# Altium PCB VCO_MainBoard.PcbDoc
Units mm, origin at the board's own origin, x right, y up, seen from the top; angles counter-clockwise.
Board outline 45 x 100 mm, 2 copper layers (Top Layer, Bottom Layer); 92 components, 62 nets, 266 pads, 34 vias.
Unrouted connection lines stored in the file: 198.
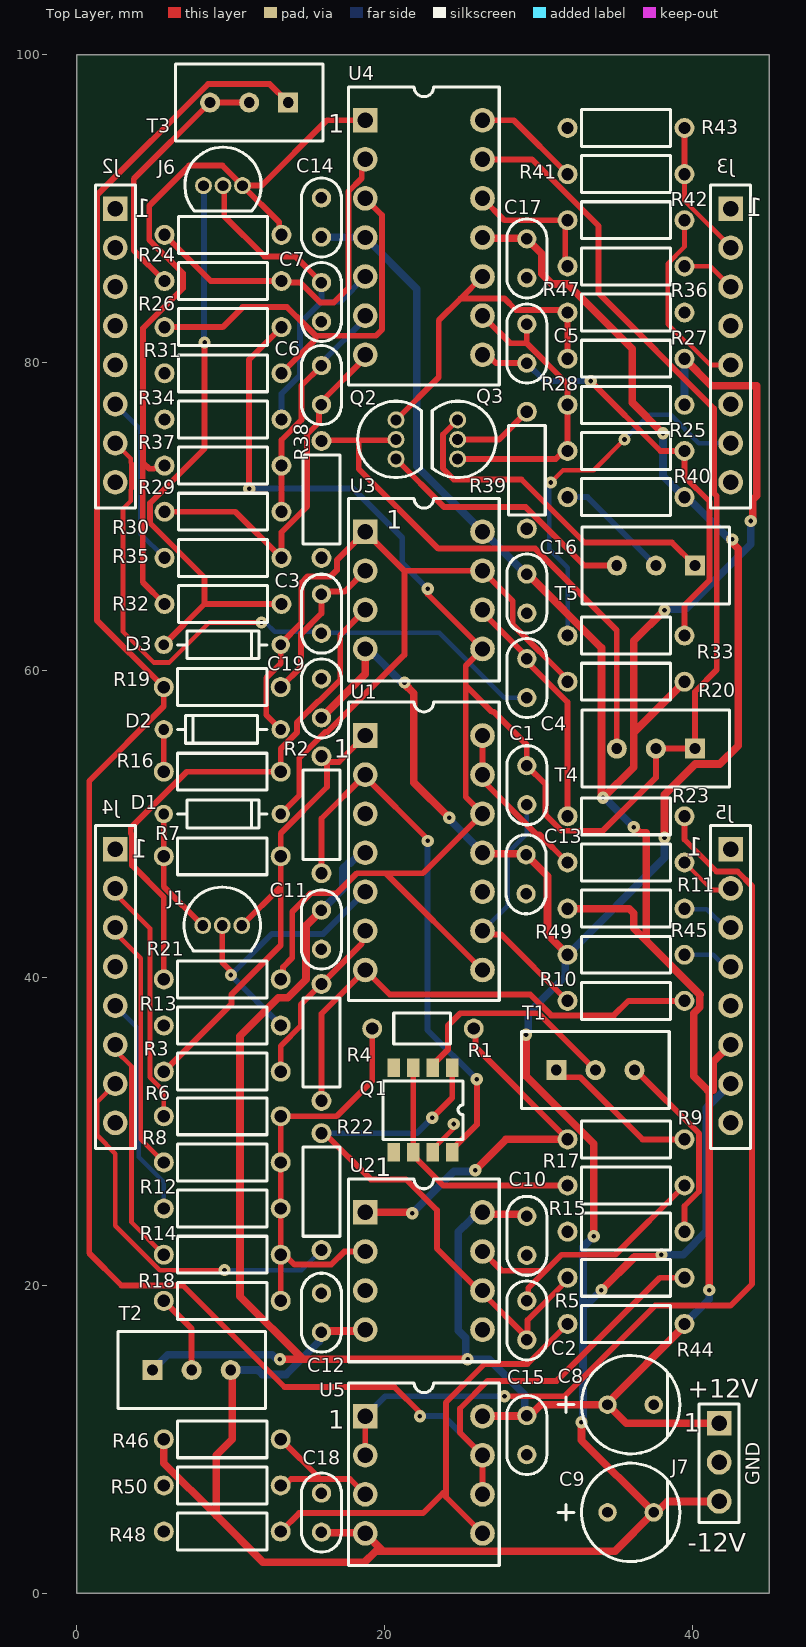
[diagram p0: Top Layer view]
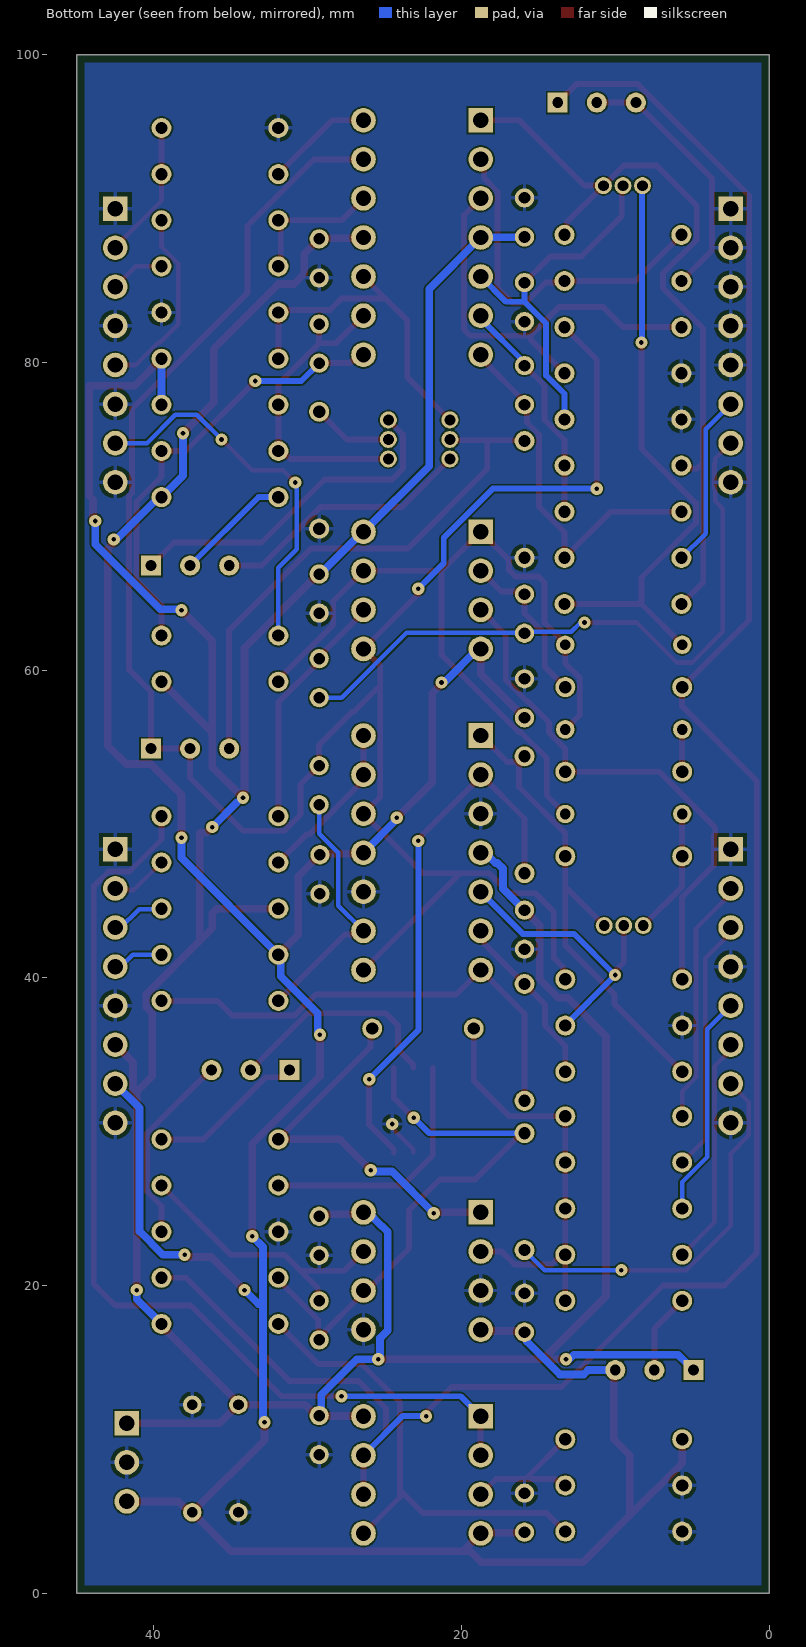
[diagram p1: Bottom Layer view, seen from below]

## Layer stack, top to bottom
Top Solder: solder mask 0.0102, Solder Resist, Dk 3.5
Top Layer: signal copper 0.0356
Dielectric 1: dielectric 0.32, FR-4, Dk 4.8
Bottom Layer: signal copper 0.0356
Bottom Solder: solder mask 0.0102, Solder Resist, Dk 3.5

## Board outline
0,0 0,100 45,100 45,0

## Design rules (kind name [scope] priority, off if disabled: settings)
Clearance [All] p1: gap=0.1 ignorepadtopadclearanceinfootprint=FALSE except(0: Arc-Hole Track-Hole SMDPad-Hole THPad-Hole Via-Hole Fill-Hole Poly-Hole Region-Hole Text-Hole)
HoleToHoleClearance [All] p1: gap=0.1 allowstackedmicrovias=TRUE
MinimumSolderMaskSliver [All] p1: minsoldermaskwidth=0.1
PolygonConnect [All] p1: connectstyle=Relief reliefconductorwidth=0.254 reliefentries=4 polygonreliefangle="90 Angle" airgapwidth=0.254
RoutingVias [All] p1: holewidth=0.3 width=0.8 viastyle="Through Hole" minholewidth=0.3 minwidth=0.8 maxholewidth=0.3 maxwidth=0.8
SilkToSilkClearance [All] p1: silktosilkclearance=0.1
SilkToSolderMaskClearance [IsPad] p1: minsilkscreentomaskgap=0.1 clearancetoexposedcopper=TRUE
SolderMaskExpansion [All] p1: expansion=0.102 istentingtop=FALSE
Width Width_Power [InNet('+12V') or InNet('-12V')] p1: maxlimit=1 minlimit=0.5 preferedwidth=0.5 minimp=50.000000 maximp=50.000000 favimp=50.000000
Width [All] p2: maxlimit=0.5 minlimit=0.3 preferedwidth=0.3
26 further rules are at their usual default settings.

## Components (designator, comment, footprint, x,y, rotation, side; value= is the part's Value field where it differs from the comment)
C1 "100p" "CAP DISC 2.54MM PITCH 5.0 DIAMETER" 29.25,51.25 r90 top
C2 "100p" "CAP DISC 2.54MM PITCH 5.0 DIAMETER" 29.25,19 r270 top
C3 "100n" "CAP DISC 2.54MM PITCH 5.0 DIAMETER" 15.9,62.4 r90 top
C4 "100n" "CAP DISC 2.54MM PITCH 5.0 DIAMETER" 29.25,58.21 r90 top
C5 "100p" "CAP DISC 2.54MM PITCH 5.0 DIAMETER" 29.25,79.96 r90 top
C6 "100p" "CAP DISC 2.54MM PITCH 5.0 DIAMETER" 15.9,77.26 r90 top
C7 "100p" "CAP DISC 2.54MM PITCH 5.0 DIAMETER" 15.9,85.2 r270 top
C8 "10u" CELEC_R_5x11_3 37.5,12.25 r180 top
C9 "10u" CELEC_R_5x11_3 37.5,5.25 r180 top
C10 "100n" "CAP DISC 2.54MM PITCH 5.0 DIAMETER" 29.25,21.96 r90 top
C11 "100n" "CAP DISC 2.54MM PITCH 5.0 DIAMETER" 15.9,41.86 r90 top
C12 "100n" "CAP DISC 2.54MM PITCH 5.0 DIAMETER" 15.9,16.96 r90 top
C13 "100n" "CAP DISC 2.54MM PITCH 5.0 DIAMETER" 29.2,48 r270 top
C14 "100n" "CAP DISC 2.54MM PITCH 5.0 DIAMETER" 15.9,90.7 r270 top
C15 "100n" "CAP DISC 2.54MM PITCH 5.0 DIAMETER" 29.25,9 r90 top
C16 "100n" "CAP DISC 2.54MM PITCH 5.0 DIAMETER" 29.25,63.71 r90 top
C17 "100n" "CAP DISC 2.54MM PITCH 5.0 DIAMETER" 29.25,88.04 r270 top
C18 "100n" "CAP DISC 2.54MM PITCH 5.0 DIAMETER" 15.9,3.96 r90 top
C19 "100n" "CAP DISC 2.54MM PITCH 5.0 DIAMETER" 15.9,56.9 r90 top
D1 "1N4148" SOD27 9.45,50.65 r0 top
D2 "1N4148" SOD27 9.45,56.15 r180 top
D3 "1N4148" SOD27 9.45,61.65 r0 top
J1 "J111" TO-92 9.45,43.4 r0 top
J2 "HDR F 1x8 2.54MM" "HDR F 1x8 2.54MM" 2.5,83.65 r180 top
J3 "HDR F 1x8 2.54MM" "HDR F 1x8 2.54MM" 42.5,83.65 r180 top
J4 "HDR F 1x8 2.54MM" "HDR F 1x8 2.54MM" 2.5,42 r180 top
J5 "HDR F 1x8 2.54MM" "HDR F 1x8 2.54MM" 42.5,42 r180 top
J6 "J111" TO-92 9.5,91.5 r0 top
J7 "HDR M" "HDR M 1X3 2.54MM" 41.75,11.04 r0 top
Q1 "AS394DE" SOIC8 22.5,31.4 r270 top
Q2 "2N3904" TO-92 20.75,75 r90 top
Q3 "2N3904" TO-92 24.75,75 r270 top
R1 "2k / 3300ppm" "Axial 0.125W Resistor" 22.5,36.7 r0 top
R2 "5k1" "AXIAL 0.25W RESISTOR" 15.9,50.6 r90 top
R3 "10k" "AXIAL 0.25W RESISTOR" 9.45,33.9 r0 top
R4 "10k" "AXIAL 0.25W RESISTOR" 15.9,35.8 r270 top
R5 "1M" "AXIAL 0.25W RESISTOR" 35.7,20.5 r0 top
R6 "100k" "AXIAL 0.25W RESISTOR" 9.45,31 r0 top
R7 "100k" "AXIAL 0.25W RESISTOR" 9.45,47.9 r0 top
R8 "100k" "AXIAL 0.25W RESISTOR" 9.45,28 r0 top
R9 "51R" "AXIAL 0.25W RESISTOR" 35.7,29.5 r180 top
R10 "100k" "AXIAL 0.25W RESISTOR" 35.7,38.5 r180 top
R11 "1k" "AXIAL 0.25W RESISTOR" 35.7,47.5 r0 top
R12 "510k" "AXIAL 0.25W RESISTOR" 9.45,25 r0 top
R13 "10k" "AXIAL 0.25W RESISTOR" 9.45,36.9 r0 top
R14 "1M" "AXIAL 0.25W RESISTOR" 9.45,22 r0 top
R15 "820R" "AXIAL 0.25W RESISTOR" 35.7,23.5 r0 top
R16 "2k2" "AXIAL 0.25W RESISTOR" 9.45,53.4 r0 top
R17 "2k2" "AXIAL 0.25W RESISTOR" 35.7,26.5 r180 top
R18 "1M" "AXIAL 0.25W RESISTOR" 9.45,19 r0 top
R19 "15k" "AXIAL 0.25W RESISTOR" 9.45,58.9 r180 top
R20 "4.7k" "AXIAL 0.25W RESISTOR" 35.7,59.25 r0 top
R21 "15k" "AXIAL 0.25W RESISTOR" 9.45,39.9 r180 top
R22 "100k" "AXIAL 0.25W RESISTOR" 15.9,26.1 r90 top
R23 "15k" "AXIAL 0.25W RESISTOR" 35.7,50.5 r0 top
R24 "51k" "AXIAL 0.25W RESISTOR" 9.5,88.3 r0 top
R25 "4.7k" "AXIAL 0.25W RESISTOR" 35.7,74.25 r0 top
R26 "68k" "AXIAL 0.25W RESISTOR" 9.5,85.3 r0 top
R27 "4.7k" "AXIAL 0.25W RESISTOR" 35.7,80.25 r0 top
R28 "4.7k" "AXIAL 0.25W RESISTOR" 35.7,77.25 r0 top
R29 "10k" "AXIAL 0.25W RESISTOR" 9.5,73.3 r0 top
R30 "10k" "AXIAL 0.25W RESISTOR" 9.5,70.3 r180 top
R31 "200k" "AXIAL 0.25W RESISTOR" 9.5,82.3 r180 top
R32 "100k" "AXIAL 0.25W RESISTOR" 9.5,64.3 r180 top
R33 "1k" "AXIAL 0.25W RESISTOR" 35.7,62.25 r180 top
R34 "100k" "AXIAL 0.25W RESISTOR" 9.5,79.3 r0 top
R35 "1k" "AXIAL 0.25W RESISTOR" 9.5,67.3 r180 top
R36 "4.7k" "AXIAL 0.25W RESISTOR" 35.7,83.25 r180 top
R37 "4.7k" "AXIAL 0.25W RESISTOR" 9.5,76.3 r0 top
R38 "100R" "AXIAL 0.25W RESISTOR" 15.9,71.1 r90 top
R39 "100R" "AXIAL 0.25W RESISTOR" 29.25,73 r90 top
R40 "10k" "AXIAL 0.25W RESISTOR" 35.7,71.25 r180 top
R41 "2k2" "AXIAL 0.25W RESISTOR" 35.7,92.25 r0 top
R42 "100k" "AXIAL 0.25W RESISTOR" 35.7,89.25 r180 top
R43 "2k2" "AXIAL 0.25W RESISTOR" 35.7,95.25 r0 top
R44 "47k" "AXIAL 0.25W RESISTOR" 35.7,17.5 r0 top
R45 "30k" "AXIAL 0.25W RESISTOR" 35.7,44.5 r180 top
R46 "47k" "AXIAL 0.25W RESISTOR" 9.45,10 r180 top
R47 "30k" "AXIAL 0.25W RESISTOR" 35.7,86.25 r180 top
R48 "33k" "AXIAL 0.25W RESISTOR" 9.45,4 r0 top
R49 "30k" "AXIAL 0.25W RESISTOR" 35.7,41.5 r180 top
R50 "33k" "AXIAL 0.25W RESISTOR" 9.45,7 r0 top
T1 "Trimmer" 3296W 33.71,34 r90 top value=1k
T2 "Trimmer" 3296W 7.46,14.5 r90 top value=1k
T3 "Trimmer" 3296W 11.2,96.9 r270 top value=1k
T4 "Trimmer" 3296W 37.64,54.9 r270 top value=1k
T5 "Trimmer" 3296W 37.64,66.8 r270 top value=1k
U1 "TL074ACN" PDIP14 18.75,55.75 r0 top
U2 "TL072CP" PDIP8 22.56,20.94 r0 top
U3 "LM393M/NOPB" PDIP8 22.56,65.19 r0 top
U4 "TL074ACN" PDIP14 18.75,95.75 r0 top
U5 "TL072CP" PDIP8 22.56,7.69 r0 top

## Footprints (in the part's own frame and the unit in brackets; to place one, negate y for a bottom-side part, rotate by r counter-clockwise, add the part's x,y. Pads: shape width x height; smd on the part's side, far side on the other; paste and mask are expansions set on the pad)
3296W [mm]
  rect 1.3x1.3 hole 0.7: 1(0,2.54)
  round 1.3 hole 0.7: 2(0,0) 3(0,-2.54)
  silkscreen extent -2.5,-4.8 2.5,4.8, body extent -2.42,-4.77 2.42,4.76, height 11.56
"AXIAL 0.25W RESISTOR" [mm]
  round 1.3 hole 0.8: 1(-3.8,0) 2(3.8,0)
  silkscreen extent -2.9,-1.2 2.9,1.2, body extent -4.11,-1.2 4.11,1.2, height 2.5
"Axial 0.125W Resistor" [mm]
  round 1.3 hole 0.8: 1(-3.3,0) 2(3.3,0)
  silkscreen extent -1.9,-1 1.8,1, body extent -3.55,-0.95 3.55,0.95, height 1.95
"CAP DISC 2.54MM PITCH 5.0 DIAMETER" [mm]
  round 1.25 hole 0.75: 1(0,0) 2(2.54,0)
  silkscreen extent -1.3,-1.3 3.84,1.3, body extent -0.9,-1.03 3.5,1.05, height 4.57
CELEC_R_5x11_3 [mm]
  round 1.2 hole 0.7: 1(0,0) 2(3,0)
  silkscreen extent -1.7,-3.2 6.21,3.2, body extent -1.65,-3.15 4.65,3.15, height 12
"HDR F 1x8 2.54MM" [mm]
  rect 1.6x1.6 hole 1: 1(0,-6.35)
  round 1.6 hole 1: 2(0,-3.81) 3(0,-1.27) 4(0,1.27) 5(0,3.81) 6(0,6.35) 7(0,8.89) 8(0,11.43)
  silkscreen extent -1.3,-7.9 1.3,13.1, body extent -1.27,-7.87 1.27,12.97, height 3.01
"HDR M 1X3 2.54MM" [mm]
  rect 1.6x1.6 hole 1: 1(0,0)
  round 1.6 hole 1: 2(0,-2.54) 3(0,-5.08)
  silkscreen extent -1.3,-6.44 1.3,1.26, body extent -1.27,-6.35 1.27,1.27, height 9.21
PDIP8 [mm]
  rect 1.6x1.6 hole 1: 1(-3.81,3.81)
  round 1.6 hole 1: 2(-3.81,1.27) 3(-3.81,-1.27) 4(-3.81,-3.81) 5(3.81,-3.81) 6(3.81,-1.27) 7(3.81,1.27) 8(3.81,3.81)
  silkscreen extent -4.9,-5.9 4.9,5.98, body extent -3.9,-5.71 3.97,5.71, height 4.19
PDIP14 [mm]
  rect 1.6x1.6 hole 1: 1(0,0)
  round 1.6 hole 1: 2(0,-2.54) 3(0,-5.08) 4(0,-7.62) 5(0,-10.16) 6(0,-12.7) 7(0,-15.24) 8(7.62,-15.24) 9(7.62,-12.7) 10(7.62,-10.16) 11(7.62,-7.62) 12(7.62,-5.08) 13(7.62,-2.54) 14(7.62,0)
  silkscreen extent -1.09,-17.22 8.71,2.17, body extent -0.06,-17.14 7.81,1.91, height 4.19
SOD27 [mm]
  round 1.2 hole 0.7: 1(-3.8,0) 2(3.8,0)
  silkscreen extent -2.9,-0.9 2.9,0.9, body extent -4.09,-0.95 4.08,0.95, height 1.95
SOIC8 [mm]
  rect 1.2x0.8 smd: 1(-2.75,1.905) 2(-2.75,0.635) 3(-2.75,-0.635) 4(-2.75,-1.905) 5(2.75,-1.905) 6(2.75,-0.635) 7(2.75,0.635) 8(2.75,1.905)
  silkscreen extent -1.9,-2.6 1.9,2.6, body extent -3,-2.45 3,2.45, height 1.75
TO-92 [mm]
  round 1.1 hole 0.7: 1(-1.27,0) 2(0,0) 3(1.27,0)
  silkscreen extent -2.48,-1.65 2.48,2.5, body extent -2.4,-1.53 2.4,2.4, height 5.4

## Part data
C1 C2 C5 C6 C7: library part CDC-101
C3 C4 C10 C11 C12 C13 C14 C15 C16 C17 C18 C19: library part CDC-104
C8 C9: library part CELEC-106, "Radial Electrolytic Capacitor"
J7: library part "HDR M 1x3 2.54MM"
R1: library part LT16S202F33
R2: library part ACR-0025-1-5K1, "Axial Carbon Film Resistor"
R3 R4 R13 R29 R30 R40: library part ACR-0025-1-10K, "Axial Carbon Film Resistor"
R5 R14 R18: library part ACR-0025-1-1M, "Axial Carbon Film Resistor"
R6 R7 R8 R10 R22 R32 R34 R42: library part ACR-0025-1-100K, "Axial Carbon Film Resistor"
R9: library part ACR-0025-1-51R, "Axial Carbon Film Resistor"
R11 R33 R35: library part ACR-0025-1-1K, "Axial Carbon Film Resistor"
R12: library part ACR-0025-1-510K, "Axial Carbon Film Resistor"
R15: library part ACR-0025-1-820R, "Axial Carbon Film Resistor"
R16 R17 R41 R43: library part ACR-0025-1-2k2, "Axial Carbon Film Resistor"
R19 R21 R23: library part ACR-0025-1-15K, "Axial Carbon Film Resistor"
R20 R25 R27 R28 R36 R37: library part ACR-0025-1-4K7, "Axial Carbon Film Resistor"
R24: library part ACR-0025-1-51K, "Axial Carbon Film Resistor"
R26: library part ACR-0025-1-68K, "Axial Carbon Film Resistor"
R31: library part ACR-0025-1-200K, "Axial Carbon Film Resistor"
R38 R39: library part ACR-0025-1-100R, "Axial Carbon Film Resistor"
R44 R46: library part ACR-0025-1-47K, "Axial Carbon Film Resistor"
R45 R47 R49: library part ACR-0025-1-30K, "Axial Carbon Film Resistor"
R48 R50: library part ACR-0025-1-33K, "Axial Carbon Film Resistor"
U1 U4: "Operational Amplifiers - Op Amps Quad Low Noise JFET", Case/Package=N, Dual Supply Voltage=9V, Input Bias Current=200pA, Input Offset Voltage (Vos)=6mV, Manufacturer="Texas Instruments", Max Dual Supply Voltage=18V, Max Operating Temperature=70°C, Min Dual Supply Voltage=3.5V, Min Operating Temperature=0°C, Nominal Supply Current=10mA, Operating Supply Current=1.4mA, Package Quantity=25, Supplier Part Number 1=1822441, Voltage Gain=106.02dB, Bandwidth=3MHz, Category="Amplifiers - Op Amps, Buffer, Instrumentation", Common Mode Rejection Ratio=75dB, ComponentLink1Description=https://datasheet.ciiva.com/23801/tl072-23801536.pdf?src-supplier=Newark, ComponentLink1URL=https://datasheet.ciiva.com/23801/tl072-23801536.pdf?src-supplier=Newark, ComponentLink2Description=https://datasheet.ciiva.com/15129/getdatasheetpartid-30262-15129616.pdf?src-supplier=Verical, ComponentLink2URL=https://datasheet.ciiva.com/15129/getdatasheetpartid-30262-15129616.pdf?src-supplier=Verical, ComponentLink3Description=https://datasheet.ciiva.com/1797/tl071a-1797486.pdf?src-supplier=Digi-Key, ComponentLink3URL=https://datasheet.ciiva.com/1797/tl071a-1797486.pdf?src-supplier=Digi-Key, ComponentLink4Description=https://datasheet.ciiva.com/26244/tl074-26244101.pdf?src-supplier=Avnet+Europe, ComponentLink4URL=https://datasheet.ciiva.com/26244/tl074-26244101.pdf?src-supplier=Avnet+Europe, ComponentLink5Description=https://datasheet.ciiva.com/2974/tl074-2974215.pdf?src-supplier=Avnet, ComponentLink5URL=https://datasheet.ciiva.com/2974/tl074-2974215.pdf?src-supplier=Avnet, ComponentLink6Description=https://datasheet.ciiva.com/14151/nstl071-to-tl074-e-14151144.pdf?src-supplier=Distrelec, ComponentLink6URL=https://datasheet.ciiva.com/14151/nstl071-to-tl074-e-14151144.pdf?src-supplier=Distrelec, Gain Bandwidth Product=3MHz, Height=4.57mm, Lead Free="Lead Free", Length=19.3mm, Manufacturer Part Number=TL074ACN, Max I/O Voltage=6mV, Nominal Gain Bandwidth Product=3MHz, Number of Amplifiers=4, Number of Channels=4, Number of Circuits=4, Number of Elements=4, Number of Pins=14, Operating Supply Voltage=18V, Packaging=Rail/Tube, Pricing 1="1=1.20500, 2=1.13600, 5=1.08200, 10=1.01300 (USD)", Radiation Hardening=No, REACH SVHC="No SVHC", RoHS=Yes, RoHS Compliant=Yes, Slew Rate=13V/µs, Stock 1=477, Supplier 1=RSComponents, Unity Gain Bandwidth Product=3MHz, Width=6.35mm
U2 U5: "IC, OP AMP, DUAL JFET, DIP8; Bandwidth:3MHz; No. of Amplifiers:2; Slew Rate:13V/ s; Supply Voltage Range:7V to 36V; Amplifier Case Style:DIP; No. of Pins:8; Operating Temperature Min:0 C; Operating Temperature Max:70 C; ;RoHS Compliant: Yes", Case/Package=P, Dual Supply Voltage=9V, Input Bias Current=200pA, Input Offset Voltage (Vos)=3mV, Manufacturer="Texas Instruments", Max Dual Supply Voltage=18V, Max I/O Voltage=10mV, Max Operating Temperature=85°C, Min Dual Supply Voltage=3.5V, Min Operating Temperature=-40°C, Nominal Supply Current=5mA, Operating Supply Current=1.4mA, Package Quantity=50, Supplier Part Number 1=0304239, Voltage Gain=106.02dB, Bandwidth=3MHz, Category="Amplifiers - Op Amps, Buffer, Instrumentation", Common Mode Rejection Ratio=70dB, ComponentLink1Description=https://datasheet.ciiva.com/7709/1764387-7709920.pdf?src-supplier=Element14, ComponentLink1URL=https://datasheet.ciiva.com/7709/1764387-7709920.pdf?src-supplier=Element14, ComponentLink2Description=https://datasheet.ciiva.com/1796/tl071a-1796082.pdf?src-supplier=Digi-Key, ComponentLink2URL=https://datasheet.ciiva.com/1796/tl071a-1796082.pdf?src-supplier=Digi-Key, ComponentLink3Description=https://datasheet.ciiva.com/26243/tl074-26243621.pdf?src-supplier=Avnet+Europe, ComponentLink3URL=https://datasheet.ciiva.com/26243/tl074-26243621.pdf?src-supplier=Avnet+Europe, ComponentLink4Description=https://datasheet.ciiva.com/2974/tl074-2974205.pdf?src-supplier=Avnet, ComponentLink4URL=https://datasheet.ciiva.com/2974/tl074-2974205.pdf?src-supplier=Avnet, Contact Plating=Gold, Gain Bandwidth Product=3MHz, Height=4.57mm, Lead Free="Lead Free", Length=9.81mm, Manufacturer Part Number=TL072CP, Max Supply Voltage=18V, Nominal Gain Bandwidth Product=3MHz, Number of Amplifiers=2, Number of Channels=2, Number of Circuits=2, Number of Elements=2, Number of Pins=8, Packaging=Rail/Tube, Pricing 1="1=1.09500, 5=0.98600, 10=0.87600, 15=0.82100, 25=0.76700 (USD)", Radiation Hardening=No, REACH SVHC="No SVHC", RoHS=Yes, RoHS Compliant=Yes, Slew Rate=13V/µs, Stock 1=796, Supplier 1=RSComponents, Unity Gain Bandwidth Product=3MHz, Width=6.35mm
U3: "IC COMP DUAL LO PWR 8-SOIC", Case/Package=SOIC, Dual Supply Voltage=9V, Input Bias Current=250nA, Input Offset Voltage (Vos)=5mV, Manufacturer="TI National Semiconductor", Max Dual Supply Voltage=18V, Max Operating Temperature=70°C, Max Power Dissipation=510mW, Max Supply Current=200uA, Max Supply Voltage=36V, Min Dual Supply Voltage=1V, Min Operating Temperature=0°C, Min Supply Voltage=2V, Nominal Supply Current=1mA, Operating Supply Voltage=28V, Output Current=16mA, Package Quantity=95, Quiescent Current=2.5mA, Supplier Part Number 1=5361388, Voltage Gain=106.02dB, Category="Amplifiers - Op Amps, Buffer, Instrumentation", ComponentLink1Description=https://datasheet.ciiva.com/1483/1837571-1483072.pdf?src-supplier=Element14, ComponentLink1URL=https://datasheet.ciiva.com/1483/1837571-1483072.pdf?src-supplier=Element14, ComponentLink2Description=https://datasheet.ciiva.com/19456/901191-19456110.pdf?src-supplier=Jameco, ComponentLink2URL=https://datasheet.ciiva.com/19456/901191-19456110.pdf?src-supplier=Jameco, ComponentLink3Description=https://datasheet.ciiva.com/15130/getdatasheetpartid-141687-15130895.pdf?src-supplier=Verical, ComponentLink3URL=https://datasheet.ciiva.com/15130/getdatasheetpartid-141687-15130895.pdf?src-supplier=Verical, ComponentLink4Description=https://datasheet.ciiva.com/16464/lm193-n-16464325.pdf?src-supplier=Avnet+Asia, ComponentLink4URL=https://datasheet.ciiva.com/16464/lm193-n-16464325.pdf?src-supplier=Avnet+Asia, ComponentLink5Description=https://datasheet.ciiva.com/14153/oilmx93-2903-dat-e-14153111.pdf?src-supplier=Distrelec, ComponentLink5URL=https://datasheet.ciiva.com/14153/oilmx93-2903-dat-e-14153111.pdf?src-supplier=Distrelec, ComponentLink6Description=https://datasheet.ciiva.com/6625/lm193-n-6625114.pdf?src-supplier=Digi-Key, ComponentLink6URL=https://datasheet.ciiva.com/6625/lm193-n-6625114.pdf?src-supplier=Digi-Key, ComponentLink7Description=https://datasheet.ciiva.com/2970/lm193-n-2970524.pdf?src-supplier=Avnet, ComponentLink7URL=https://datasheet.ciiva.com/2970/lm193-n-2970524.pdf?src-supplier=Avnet, Height=1.45mm, Lead Free="Lead Free", Length=4.9mm, Manufacturer Part Number=LM393M/NOPB, Max Input Current=250nA, Mount="Surface Mount", Number of Channels=2, Number of Elements=2, Number of Pins=8, Output Compatibility=CMOS, Output Type=TTL, Packaging=Rail/Tube, Power Dissipation=510mW, Pricing 1="1=0.95800, 5=0.86200, 10=0.76700, 25=0.72600, 50=0.67100 (USD)", Propagation Delay=700ns, Radiation Hardening=No, REACH SVHC="No SVHC", Response Time=1.3us, RoHS=Yes, RoHS Compliant=Yes, Series=-, Stock 1=691, Supplier 1=RSComponents, Supply Current=1mA, Technology=BIPOLAR, Termination=SMD/SMT, Turn-On Delay Time=0.4us, Type="General Purpose", Width=3.9mm
T1 T2 T3 T4 T5: SET=0.5

## Via types
v1: diameter 0.8, hole 0.3, Top Layer to Bottom Layer, tented both sides, 34 vias

## Nets (pads, with @x,y where several pads share a name; then routed paths per layer and width w, separated by ;. In a path a pad name is that pad's centre, name@x,y a point inside that pad or via, vN(x,y) a via of type N, cw(c..) or ccw(c..) an arc to the next point about the centre after c; other vN are vias at no path point)
+5V: R5.2 R19.2 T3.1 U5.6 U5.7 | length 144
  Top Layer w0.381: T3.1 12.54,98.1 8.53,98.1 1.3,90.87 1.3,63.25 R19.2 5.65,57.65 0.8,52.8 0.8,22.1 2.9,20 6.9,20 13.5,13.4 20.641,13.4 22.3,11.741 v1(22.3,11.5) ; U5.6 U5.7 24.9,10.43 24.9,12 26.7,13.8 31.2,13.8 37.9,20.5 R5.2
  Bottom Layer w0.381: v1(22.3,11.5) 22.322,11.522 23.808,11.522 U5.7
+12V: C8.2 C10.2 C11.2 C14.2 C15.2 C16.2 J5.6 J7.1 R20.2 R27.2 R28.2 R44.2 R45.2 T2.1 U1.4 U2.8 U3.8 U4.4 U5.8 | length 241.3
  Top Layer w0.5: v1(13.2,15.2) 14.7,15.2 ; C11.2 14.9,43.4 14.9,39.9 13.7,38.7 13.1,38.7 10.6,36.2 10.6,19.3 14.7,15.2 ; v1(25.4,15.2) 14.7,15.2 ; U5.8 26.39,11.52 29.23,11.52 C15.2 29.453,11.54 30.163,12.25 C8.2 ; U2.8 26.495,24.625 29.125,24.625 C10.2 ; C16.2 29.314,66.25 34.1,61.464 34.1,51.8 v1(34.2,51.7) 36.2,53.7 36.2,55.95 ; R45.2 35.907,44.5 36.2,44.207 36.2,43.214 37.007,42.407 ; v1(36.2,49.8) 36.579,49.421 37.007,49.421 37.007,42.407 ; v1(38.2,63.9) 36.2,61.9 36.2,55.95 ; R44.2 39.5,17.375 34.5,12.375 C8.2 ; R20.2 36.2,55.95 ; R27.2 41.25,78.5 44.2,78.5 44.2,71.335 43.947,71.082 43.947,69.847 v1(43.8,69.7) ; v1(41.1,19.7) 41.1,25.9 41.1,26.284 41.1,29.3 41.1,29.744 41.1,32.7 41,32.7 40.1,33.6 40.1,37.686 40.5,38.086 40.5,38.9 40.507,38.907 37.007,42.407 ; 41.35,32.7 41.35,34.5 J5.6 ; J7.1 35.71,11.04 C8.2
  Bottom Layer w0.5: T2.1 5.32,14.9 5.92,15.5 12.692,15.5 12.992,15.2 v1(13.2,15.2) ; C11.2 17.3,45.8 17.3,47.107 17.654,47.461 17.783,47.461 18.452,48.13 U1.4 ; C14.2 15.915,88.145 18.735,88.145 22.1,84.78 22.1,73.27 U3.8 26.435,69 29.185,66.25 C16.2 ; U2.8 26.072,24.75 25.176,23.854 25.154,23.854 24.8,23.5 24.8,17.074 25.289,16.585 25.289,15.311 v1(25.4,15.2) 26.793,15.2 29.106,12.887 29.106,11.684 C15.2 ; 34.6,51.4 v1(36.2,49.8) ; v1(38.2,63.9) 38.265,63.965 39.585,63.965 43.8,68.18 v1(43.8,69.7) ; R44.2 41.1,19.1 v1(41.1,19.7) ; R28.2 R27.2
-5V: R23.2 U5.1 U5.2 | length 64.3
  Top Layer w0.381: U5.2 U5.1 ; v1(27.8,12.8) 31.7,12.8 37.6,18.7 42.5,18.7 43.9,20.1 43.9,45.952 42.943,46.909 41.58,46.909 39.5,48.989 R23.2
  Bottom Layer w0.381: U5.1 20.05,12.8 v1(27.8,12.8)
-12V: C9.1 C12.1 C13.1 C17.1 C18.1 C19.1 J5.7 J7.3 R40.1 R46.2 R49.2 T2.3 U1.11 U2.4 U3.4 U4.11 U5.4 | length 222.7
  Top Layer w0.5: R46.2 5.65,8.45 9.05,5.05 ; T2.3 10.1,14.4 10.1,10 9.05,8.95 9.05,5.05 ; C18.1 15.94,3.92 18.71,3.92 U5.4 19.9,2.73 ; C12.1 15.985,17.045 18.665,17.045 U2.4 ; C19.1 18.75,59.75 U3.4 ; v1(21.3,59.2) 21.3,59.1 21.9,58.5 21.9,52.7 v1(24.2,50.4) ; U1.11 26.435,48.065 29.135,48.065 C13.1 30.6,46.6 30.6,42.8 R49.2 ; U4.11 26.415,88.085 29.205,88.085 C17.1 30.225,87.065 30.225,85.775 30.9,85.1 31.9,85.1 36.1,80.9 36.1,77.4 v1(38.1,75.4) ; v1(29.2,36.3) 29.2,33.614 33.6,29.214 v1(33.6,23.2) ; v1(32.8,11.1) 32.8,9.95 C9.1 ; v1(34.1,19.7) 36.253,21.853 37.853,21.853 v1(38,22) ; v1(38.2,49.1) 38.2,51.9 40.2,53.9 41.8,53.9 43,55.1 43,67.892 42.6,68.292 v1(42.6,68.5) ; J7.3 38.399,5.96 37.689,5.25 C9.1 ; 9.05,5.05 12.1,2 18.7,2 19.43,2.73 19.9,2.73 ; 19.9,2.73 34.98,2.73 C9.1
  Bottom Layer w0.5: T2.3 11.77,14.5 12.055,14.215 13.608,14.215 15.756,16.364 15.756,16.816 C12.1 ; U3.4 18.935,61.38 21.115,59.2 v1(21.3,59.2) ; v1(24.2,50.4) 24.2,50.3 U1.11 ; v1(29.2,36.3) 29.339,36.439 29.339,37.685 31.754,40.1 31.754,41.354 R49.2 38.2,47.8 v1(38.2,49.1) ; v1(32.8,11.1) 32.9,11.2 32.9,18.8 ; v1(33.6,23.2) 32.9,22.5 32.9,18.8 ; v1(34.1,19.7) 33.2,18.8 32.9,18.8 ; v1(38,22) 39.414,22 40.926,23.511 40.926,31.536 J5.7 ; v1(38.1,75.4) 38.1,72.65 R40.1 39.675,71.25 42.425,68.5 v1(42.6,68.5)
CoarseTune: J4.5 R12.1 | length 14.5
  Bottom Layer w0.3: J4.5 4.025,36.665 4.025,28.352 5.65,26.727 R12.1
CV: J4.2 R6.1 | length 16.1
  Top Layer w0.3: J4.2 2.5,45.46 4.75,43.21 4.75,33.527 5.65,32.627 R6.1
ExpFM: J4.3 R8.1 | length 16.6
  Top Layer w0.3: J4.3 2.5,42.92 4.15,41.27 4.15,29.5 R8.1
FineTune: J4.6 R14.1 | length 15
  Top Layer w0.3: J4.6 2.5,35.3 3.55,34.25 3.55,24.1 R14.1
Gnd: C7.2 C8.1 C9.2 C10.1 C11.1 C12.2 C13.2 C14.1 C15.1 C16.1 C17.2 C18.2 C19.2 J2.1 J2.2 J2.3 J2.4 J2.5 J2.8 J3.1 J3.4 J3.6 J3.8 J4.1 J4.4 J4.8 J5.1 J5.5 J5.8 J7.2 Q1.7 R13.1 R15.1 R34.1 R36.1 R37.1 R38.1 R39.1 R43.1 R48.1 R50.1 U1.3 U1.10 U2.3 U2.5 | length 2.4
  Top Layer w0.3: Q1.7 23.135,28.85 24.5,30.215 v1(24.5,30.5)
LinFM: J4.7 R22.1 | length 25.3
  Top Layer w0.3: J4.7 1.315,31.925 1.315,29.76 2.5,28.575 2.5,23.877 5.377,21 v1(9.6,21)
  Bottom Layer w0.3: v1(9.6,21) 14.6,21 R22.1
NetC1_1: C1.1 R10.2 U1.9 | length 16.8
  Top Layer w0.381: U1.9 26.603,42.817 27.583,42.817 R10.2
  Bottom Layer w0.3: U1.9 28,44.68 28,48.121 29.25,49.371 C1.1
NetC2_1: C2.1 R17.1 U2.7 | length 18.4
  Top Layer w0.381: U2.7 27.622,20.958 30.458,20.958 ; C2.1 29.34,19.09 29.34,19.84 30.458,20.958 ; R17.1 35,22 31.5,22 30.458,20.958
NetC2_2: C2.2 Q1.1 R5.1 R22.2 U2.6 | length 37.1
  Top Layer w0.381: R22.2 16.1,29.9 19.1,26.9 21.4,26.9 23.4,24.9 23.4,22.4 26.13,19.67 U2.6 26.37,19.505 29.25,16.625 C2.2 29.305,16.515 29.305,17.76 31.9,20.355 R5.1 ; v1(23.1,30.9) 24.405,32.205 Q1.1
  Bottom Layer w0.381: R22.2 22.1,29.9 v1(23.1,30.9)
NetC3_2: C3.2 R19.1 U3.2 | length 10.6
  Top Layer w0.381: R19.1 14.58,60.23 14.58,62.374 15.9,63.695 C3.2 16.066,65.106 17.396,65.106 U3.2
NetC4_2: C4.2 R23.1 U3.6 | length 15.7
  Top Layer w0.381: U3.6 26.37,63.775 29.25,60.895 C4.2 29.25,60.57 31.9,57.92 R23.1
NetC5_1: C5.1 R25.2 R33.1 U4.8 | length 29.1
  Top Layer w0.381: U4.8 26.7,80.51 27.25,79.96 C5.1 ; v1(33.4,78.8) 33.4,78.791 37.941,74.25 R25.2 39.5,72.58 41.121,70.96 41.121,65.845 39.5,64.224 R33.1
  Bottom Layer w0.381: C5.1 30.41,78.8 v1(33.4,78.8)
NetC5_2: C5.2 Q3.3 R25.1 R28.1 U4.9 | length 20.3
  Top Layer w0.381: Q3.3 31.131,73.73 31.651,74.25 R25.1 R28.1 31.9,78.605 29.25,81.255 ; U4.9 28.165,81.255 29.25,81.255 ; C5.2 29.25,81.255
NetC6_1: C6.1 R30.2 R35.1 U4.7 | length 24.3
  Top Layer w0.381: R30.2 10.3,70.3 R35.1 13.3,68.97 14.96,70.629 14.96,75.322 15.734,76.097 15.734,77.094 C6.1 15.9,77.46 18.75,80.31 U4.7
NetC6_2: C6.2 R29.2 R30.1 U4.6 | length 15
  Top Layer w0.381: R30.1 13.3,74.97 14.605,76.275 14.605,78.505 C6.2
  Bottom Layer w0.381: C6.2 15.9,80 18.75,82.85 U4.6
NetC7_1: C7.1 J6.2 R37.2 U4.5 | length 23.6
  Top Layer w0.381: J6.2 9.582,91.418 9.582,89.518 12.2,86.9 14.2,86.9 C7.1
  Bottom Layer w0.381: R37.2 13.3,77.97 14.498,79.168 14.498,82.553 15.9,83.955 ; C7.1 15.9,83.955 ; U4.5 17.115,83.955 15.9,83.955
NetD1_1: D1.1 J1.1 R7.1 | length 8.3
  Top Layer w0.381: D1.1 R7.1 5.65,45.93 J1.1
NetD2_2: D2.2 R16.1 | length 2.8
  Top Layer w0.381: R16.1 D2.2
NetD3_1: D3.1 J6.1 R32.1 | length 38.9
  Top Layer w0.381: D3.1 8.3,64.3 ; v1(8.3,81.3) 8.3,74.4 4.759,70.859 4.759,69.571 8.3,66.03 8.3,64.3 ; R32.1 8.3,64.3
  Bottom Layer w0.381: J6.1 8.265,91.465 8.265,81.335 v1(8.3,81.3)
NetJ1_2: J1.2 R13.2 U1.5 | length 19
  Top Layer w0.381: J1.2 9.45,40.991 10.013,40.427 v1(10.013,40.187)
  Bottom Layer w0.381: R13.2 13.25,36.925 10.013,40.162 v1(10.013,40.187) 12.684,42.857 16.017,42.857 U1.5
NetJ1_3: J1.3 R2.2 R3.1 R7.2 U1.1 | length 32.3
  Top Layer w0.381: R3.1 10.059,38.31 10.059,38.924 13.25,42.114 13.25,45.93 ; J1.3 13.25,45.93 ; U1.1 17.041,54.041 16.36,54.041 16.001,54.4 R2.2 15.9,54.299 16.259,53.94 16.259,52.399 13.25,49.391 R7.2 13.25,45.93
NetJ6_3: J6.3 R24.2 R29.1 R32.2 U4.1 | length 51.8
  Top Layer w0.381: R32.2 4.278,65.722 4.278,73.355 4.3,73.377 4.3,73.5 ; R29.1 5.524,73.124 5.043,73.124 5.017,73.098 4.702,73.098 4.3,73.5 ; R24.2 13.152,88.448 13.152,89.118 J6.3 ; U4.1 16.25,95.75 12,91.5 J6.3 ; 4.3,73.5 4.3,82.23 6.9,84.83 6.9,85.8 5.845,86.855 5.815,86.855 4.7,87.97 4.7,90.2 7.3,92.8 9.47,92.8 J6.3
NetQ1_2: Q1.2 T1.2 | length 14.6
  Top Layer w0.381: Q1.2 23.135,34.35 24.134,35.349 24.134,36.911 24.923,37.7 30.01,37.7 T1.2
NetQ1_3: Q1.3 Q1.6 R17.2 | length 16.5
  Top Layer w0.381: Q1.3 Q1.6 21.865,28.45 23.815,26.5 R17.2
NetQ1_8: Q1.8 R2.1 U1.2 | length 35.8
  Top Layer w0.381: R2.1 15.9,50.36 U1.2 18.75,53.08 22.8,49.03 v1(22.8,48.9) ; Q1.8 24.405,28.85 26,30.445 v1(26,33.4)
  Bottom Layer w0.381: v1(22.8,48.9) 22.8,36.6 v1(26,33.4)
NetQ2_1: Q2.1 T5.3 | length 17.2
  Top Layer w0.381: Q2.1 23.88,70.6 29.18,70.6 32.98,66.8 T5.3
NetQ2_2: Q2.2 R38.2 T4.3 | length 35.6
  Top Layer w0.381: R38.2 15.95,74.95 18.325,74.95 ; Q2.2 20.7,74.95 18.325,74.95 ; T4.3 35.1,62.6 29.8,67.9 23.5,67.9 18.325,73.075 18.325,74.95
NetQ2_3: Q2.3 R27.1 R36.2 U4.10 | length 22
  Top Layer w0.381: Q2.3 23.522,79.042 23.522,82.742 24.946,84.166 ; U4.10 24.946,84.166 ; R27.1 R36.2 31.735,83.415 28.544,83.415 27.78,84.18 27.766,84.166 24.946,84.166
NetQ3_1: Q3.1 T5.1 | length 22.6
  Top Layer w0.381: Q3.1 23.8,75.32 23.8,73.1 24.5,72.4 28.9,72.4 33,68.3 38.68,68.3 T5.1
NetQ3_2: Q3.2 R39.2 | length 5.2
  Top Layer w0.381: Q3.2 27.45,75 R39.2
NetR1_1: R1.1 R6.2 R8.2 R12.2 R14.2 R18.2 U2.2 | length 28.4
  Top Layer w0.381: R18.2 R14.2 ; U2.2 18.738,22.198 17.378,22.198 16.54,21.36 14.139,21.36 13.499,22 R14.2 ; R1.1 19.2,33.3 16.9,31 R6.2 R8.2 R12.2 R14.2
NetR1_2: R1.2 R9.2 U2.1 | length 24.9
  Top Layer w0.381: R1.2 25.922,36.579 25.922,35.478 R9.2
  Top Layer w0.5: U2.1 21.75,24.75 v1(21.8,24.7) ; v1(25.9,27.5) 27.9,29.5 R9.2
  Bottom Layer w0.5: v1(21.8,24.7) 24.515,27.415 25.815,27.415 v1(25.9,27.5)
NetR3_2: R3.2 R4.1 U1.6 | length 11.4
  Top Layer w0.381: R3.2 13.25,35.57 14.575,36.895 14.575,38.275 17.214,40.914 18.517,42.217 18.517,42.817 U1.6
NetR4_2: R4.2 R10.1 U1.7 | length 32.1
  Top Layer w0.381: R4.2 15.9,37.66 U1.7 20.342,38.918 29.472,38.918 30.831,37.559 34.911,37.559 35.851,38.5 R10.1
NetR9_1: R9.1 T1.1 | length 10.2
  Top Layer w0.381: T1.1 31.63,33.54 32.724,33.54 36.764,29.5 R9.1
NetR11_1: R11.1 U1.13 U1.14 | length 10.7
  Top Layer w0.381: U1.14 U1.13 26.603,52.977 26.603,52.602 29.87,49.335 30.065,49.335 R11.1
NetR15_2: R15.2 T1.3 | length 12.7
  Top Layer w0.381: T1.3 36.33,34 40.441,29.89 40.441,26.11 39.5,25.17 R15.2
NetR16_2: R16.2 R21.2 U3.3 | length 34.8
  Top Layer w0.381: R21.2 5.65,45.25 3.591,47.309 3.591,49.295 3.5,49.385 3.5,49.759 7.141,53.4 R16.2 13.25,54.891 14.3,55.941 14.3,56.595 15.684,57.979 15.733,57.979 17.117,59.362 17.117,62.287 U3.3
NetR18_1: R18.1 T2.2 | length 5.2
  Top Layer w0.381: R18.1 7.46,17.19 T2.2
NetR24_1: R24.1 R26.2 U4.2 | length 23
  Top Layer w0.381: R24.1 8.7,85.3 R26.2 13.397,85.203 14.522,85.203 15.824,83.9 16.7,83.9 17.659,84.86 17.659,91.122 18.517,91.979 18.517,92.977 U4.2
NetR26_1: R26.1 T3.2 T3.3 | length 17
  Top Layer w0.381: R26.1 3.7,87.3 3.7,91.94 T3.3 T3.2
NetR31_2: R31.2 R34.2 U4.3 | length 28
  Top Layer w0.381: R31.2 9.474,82.3 10.774,83.6 13.665,83.6 14.81,82.455 15.521,81.744 ; R34.2 15.521,81.521 15.521,81.744 ; U4.3 19.841,89.579 19.841,82.459 19.842,82.458 19.842,82.142 19.445,81.744 15.521,81.744
NetR40_2: R40.2 T5.2 | length 7.6
  Bottom Layer w0.381: R40.2 33.19,71.25 T5.2
NetR41_1: R41.1 U4.14 | length 7
  Top Layer w0.381: U4.14 28.4,95.75 R41.1
NetR42_2: R42.2 R47.2 U4.12 | length 9.2
  Top Layer w0.381: U4.12 27.79,89.25 31.75,89.25 R42.2 31.75,89.1 31.75,86.4 R47.2
NetR44_1: R44.1 R48.2 U5.5 | length 31.4
  Top Layer w0.381: R48.2 14.45,5.2 22.5,5.2 23.8,6.5 23.8,6.45 24,6.25 ; U5.5 24,6.25 ; R44.1 29.3,14.9 26.5,14.9 24,12.4 24,6.25
NetR46_1: R46.1 R50.2 U5.3 | length 9.7
  Top Layer w0.381: R50.2 13.499,7 13.914,7.415 15.834,7.415 ; R46.1 15.834,7.415 ; U5.3 17.755,7.415 15.834,7.415
PulseOut: J3.2 R41.2 R43.2 | length 9
  Top Layer w0.3: R41.2 39.5,90.523 42.5,87.523 J3.2
  Top Layer w0.381: R41.2 R43.2
PulseWidth: J3.3 R47.1 | length 3.6
  Top Layer w0.3: R47.1 41.17,86.25 J3.3
PulseWidthN: J5.4 R49.1 | length 3.4
  Bottom Layer w0.3: R49.1 41.38,41.5 42.237,40.642 42.325,40.73 J5.4
PulseWidthP: J5.3 R45.1 | length 3.6
  Bottom Layer w0.3: R45.1 39.532,44.468 40.952,44.468 42.237,43.182 42.325,43.27 J5.3
PWM: J3.5 R42.1 | length 12.4
  Top Layer w0.3: R42.1 39.5,87.523 38.4,86.423 38.4,82.5 39.606,81.294 39.728,81.294 41.183,79.84 J3.5
SawOut: J2.6 R35.2 | length 11.3
  Bottom Layer w0.3: J2.6 4.129,75.671 4.129,68.871 R35.2
SineOut: J3.7 R33.2 | length 24.8
  Top Layer w0.3: v1(30.8,72.2) 31.6,73 33.6,73 v1(35.6,75)
  Bottom Layer w0.3: v1(30.8,72.2) 30.7,72.1 30.7,67.86 31.9,66.66 R33.2 ; v1(35.6,75) 37.2,76.6 38.6,76.6 40.44,74.76 J3.7
Square: D1.2 D2.1 D3.2 R20.1 U3.1 U3.7 | length 54.2
  Top Layer w0.381: D1.2 14.459,51.859 14.459,54.289 16.154,55.985 16.279,55.985 21.29,60.995 21.29,66.46 ; D2.1 12.309,57.091 12.309,59.499 13.25,60.44 D3.2 13.25,61.725 14.6,63.075 14.6,65.7 15,66.1 16.5,66.1 16.9,66.5 16.9,67.15 U3.1 21.29,66.46 ; R20.1 31.9,59.395 28.335,62.96 28.335,64.495 U3.7 21.29,66.46
Sync: C3.1 C4.1 J2.7 | length 43.1
  Top Layer w0.3: J2.7 3.5,73.76 3.5,73.5 3.55,73.45 3.55,71.785 3.5,71.735 3.5,71 3,70.5 3,62.5 5,60.5 6,60.5 8.6,63.1 v1(12,63.1)
  Bottom Layer w0.3: v1(12,63.1) 12.262,63.1 12.862,62.5 15.8,62.5 C3.1 15.93,62.43 23.57,62.43 27.79,58.21 C4.1
Triangle: C1.2 R21.1 R31.1 T4.1 T4.2 U1.8 U1.12 U3.5 U4.13 | length 143.4
  Top Layer w0.381: v1(11.2,71.8) 11.2,80.2 R31.1 ; R21.1 13.408,40.058 13.408,40.708 14,41.3 14,44.3 15.2,45.5 16.9,45.5 18.2,46.8 20.08,46.8 ; v1(22.8,65.3) 22.8,64.95 U3.5 25.279,60.289 25.279,59 ; U1.8 20.08,46.8 ; U4.13 29.59,93.21 33.919,88.881 33.919,84.501 41.409,77.01 41.409,71.516 41.602,71.324 41.602,60.021 40.18,58.6 T4.1 T4.2 37.64,53.004 34.195,49.559 31.51,49.559 30.463,50.607 30.463,52.577 C1.2 29.25,55.15 27.1,57.3 26.979,57.3 25.279,59 ; 20.08,46.8 22.5,46.8 U1.12 25.279,51.761 25.279,59
  Bottom Layer w0.381: v1(11.2,71.8) 17.961,71.8 21.15,68.611 21.15,66.95 v1(22.8,65.3)
TriangleOut: J5.2 R11.2 | length 3.8
  Top Layer w0.3: R11.2 41.291,45.709 42.251,45.709 42.353,45.81 J5.2
pads on no net: Q1.4 Q1.5

## Polygon pours and split planes (outlines as drawn)
Gnd on Bottom Layer "GND_L02_P000" (solid, pour order 0): 0.5,99.5 44.5,99.5 44.5,0.5 0.5,0.5

## Silkscreen, mask and mechanical layers (free items; w line width, h text height)
Top Overlay:
  text "+12V" at 39.7,12.7 h1.2
  text "GND" at 44.4,7 h0.9 r90
  text "-12V" at 39.7,2.7 h1.2
Mechanical 1:
  the board outline again, w0.2
Board Outline:
  the board outline again, w0.2

## Text inside footprints (layer, text, board x,y; h text height)
J2: Top Overlay "1" at 4.8,89.45 h1.2
J3: Top Overlay "1" at 44.6,89.5 h1.2
J4: Top Overlay "1" at 4.6,47.8 h1.2
J5: Top Overlay "1" at 40.7,47.95 h1.2
J7: Top Overlay "1" at 39.45,10.49 h1.2
U1: Top Overlay "1" at 16.7,54.3 h1.2
U2: Top Overlay "1" at 19.4,27.1 h1.2
U3: Top Overlay "1" at 20.1,69.2 h1.2
U4: Top Overlay "1" at 16.35,94.95 h1.2
U5: Top Overlay "1" at 16.35,10.7 h1.2